# Altium PCB Simulation.PcbDoc (part 1 of 3) (continued)
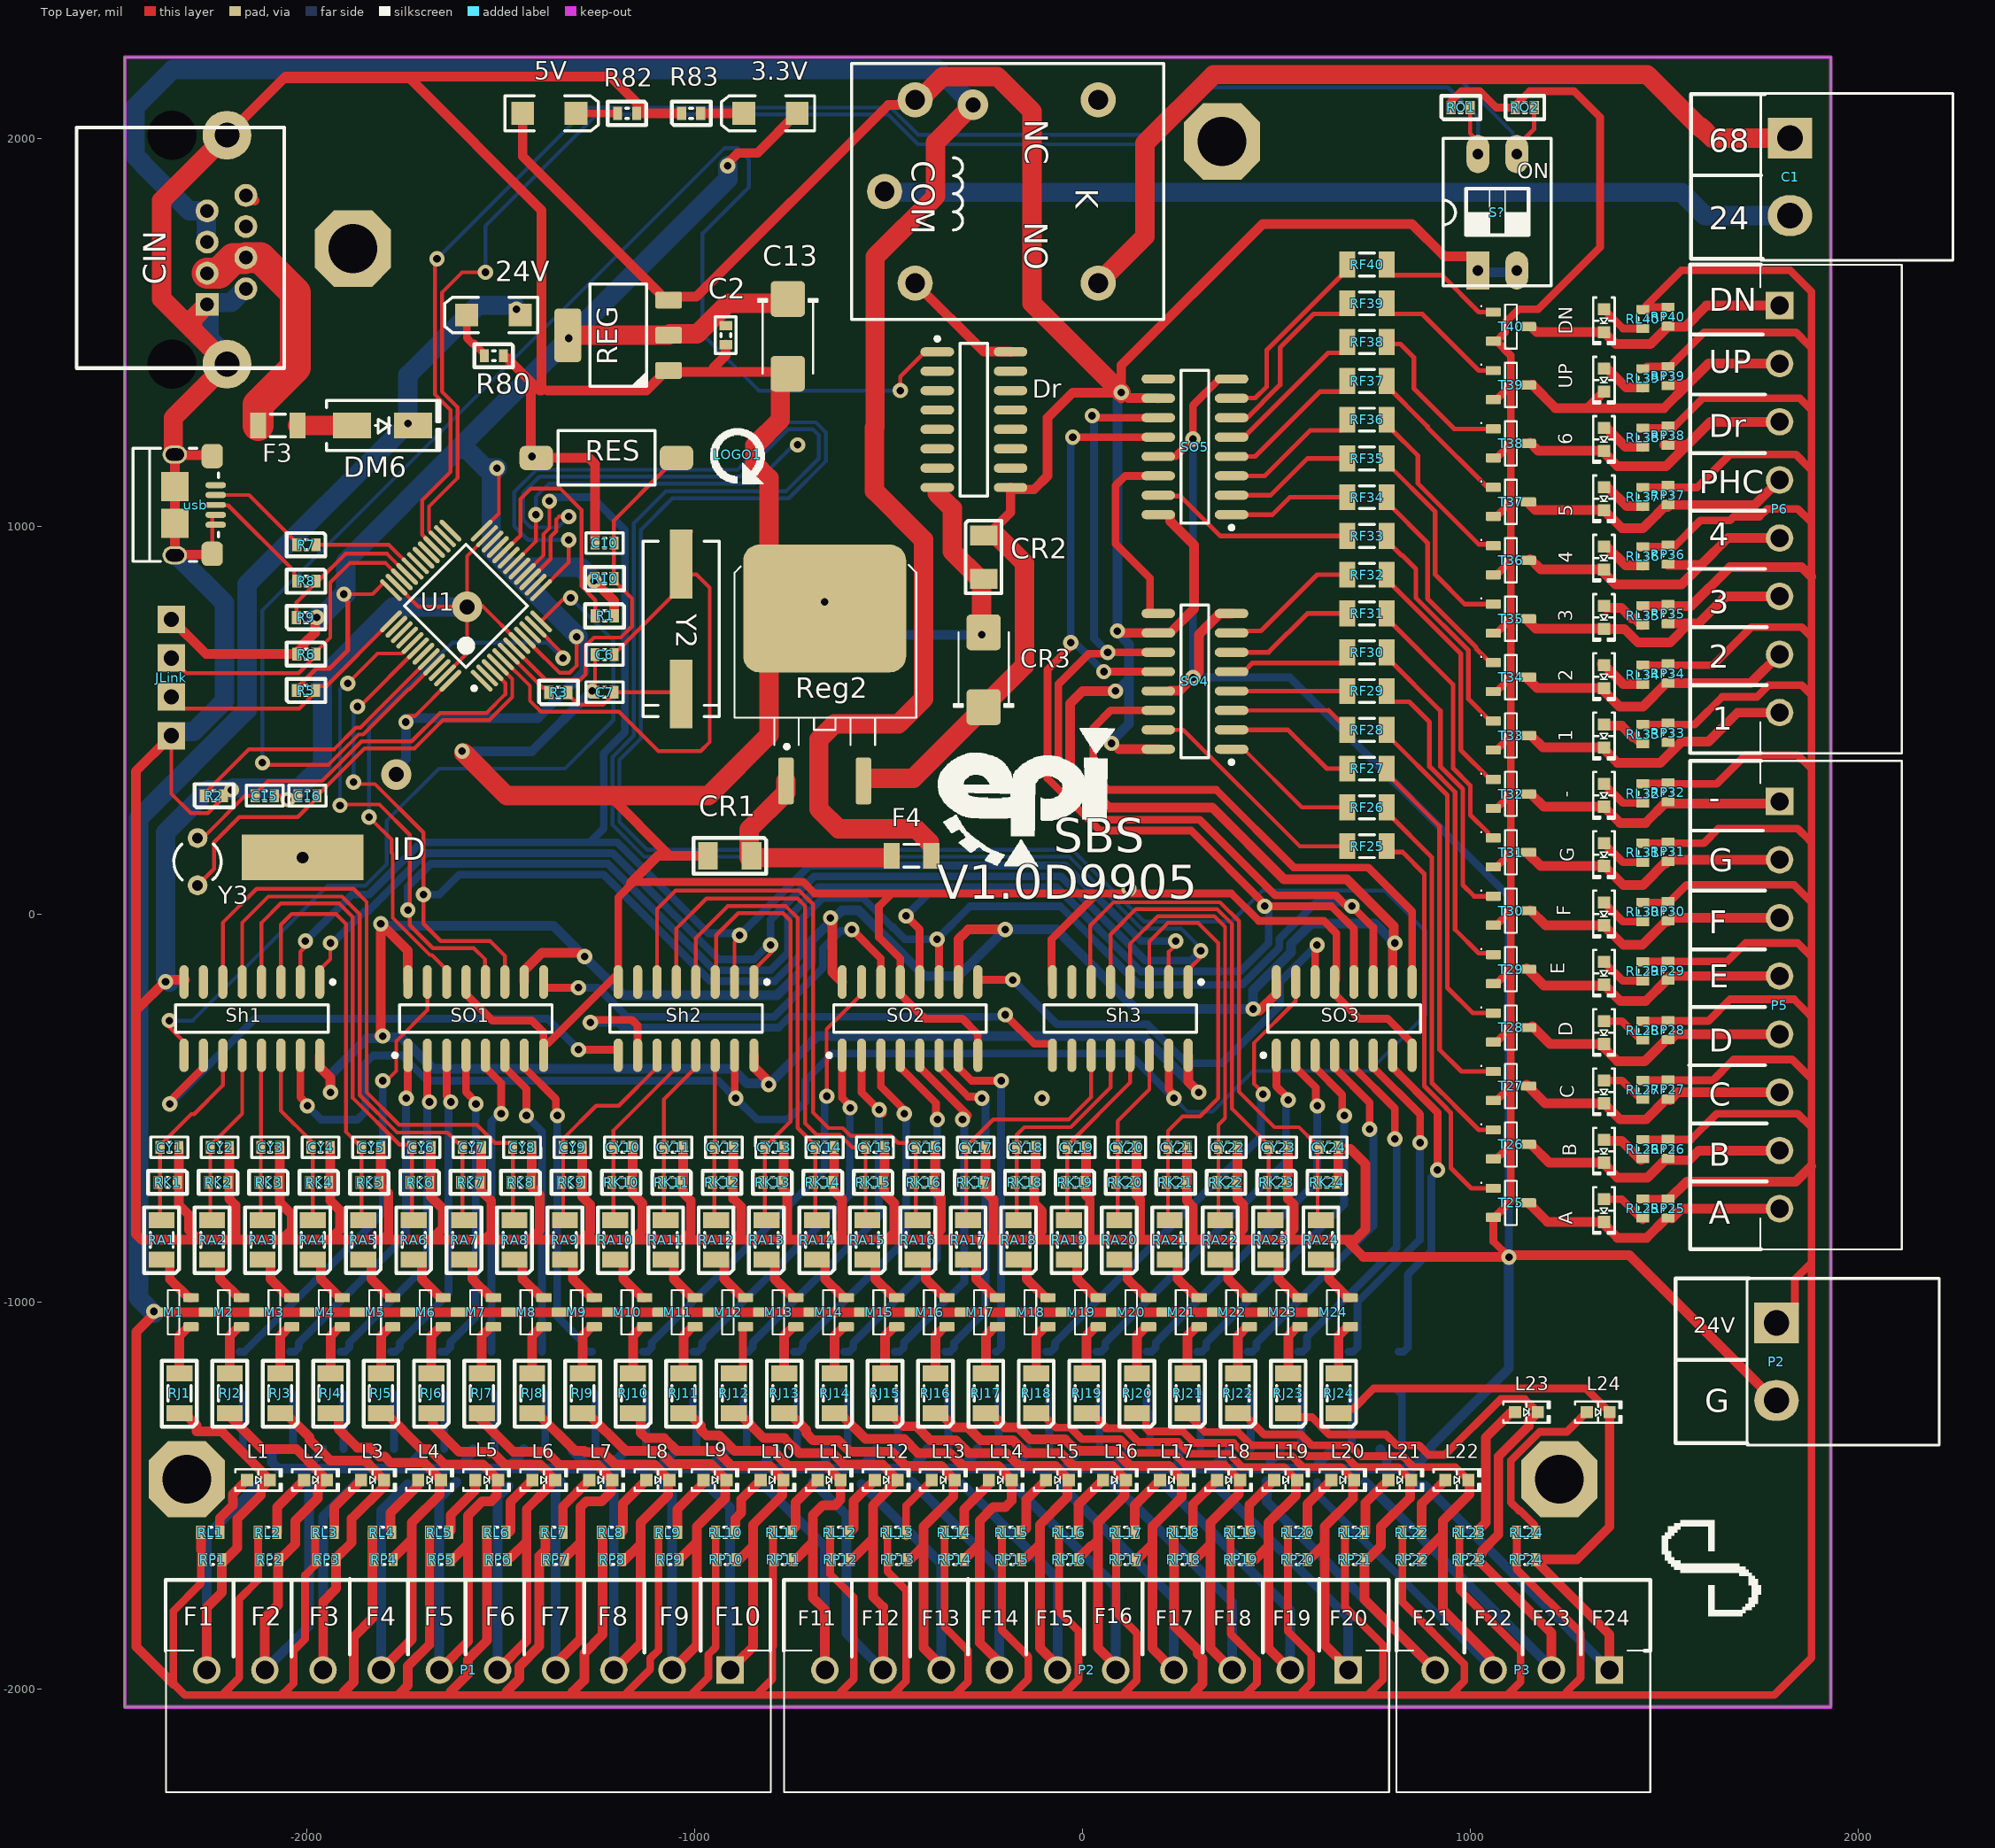
[diagram p0: Top Layer view]
## Classes and differential pairs
component class "Power 3.3V": 3.3V C2 C13 R83 REG
component class "Shift Out": SO1 SO2 SO3 SO4 SO5
component class Actuator: 1 2 3 4 5 6 - A B C D DN E F G L1 L2 L3 L4 L5 L6 L7 L8 L9 L10 L11 L12 L13 L14 L15 L16 L17 L18 L19 L20 L21 L22 L23 L24 RF1 RF2 RF3 RF4 RF5 RF6 RF7 RF8 RF9 RF10 RF11 RF12 RF13 RF14 RF15 RF16 RF17 RF18 RF19 RF20 RF21 RF22 RF23 RF24 RF25 RF26 RF27 RF28 RF29 RF30 RF31 RF32 RF33 RF34 RF35 RF36 RF37 RF38 RF39 RF40 RL1 RL2 RL3 RL4 RL5 RL6 RL7 RL8 RL9 RL10 RL11 RL12 RL13 RL14 RL15 RL16 RL17 RL18 RL19 RL20 RL21 RL22 RL23 RL24 RL25 RL26 RL27 RL28 RL29 RL30 RL31 RL32 RL33 RL34 RL35 RL36 RL37 RL38 RL39 RL40 RP1 RP2 RP3 RP4 RP5 RP6 RP7 RP8 RP9 RP10 RP11 RP12 RP13 RP14 RP15 RP16 RP17 RP18 RP19 RP20 RP21 RP22 RP23 RP24 RP25 RP26 RP27 RP28 RP29 RP30 RP31 RP32 RP33 RP34 RP35 RP36 RP37 RP38 RP39 RP40 T1 T2 T3 T4 T5 T6 T7 T8 T9 T10 T11 T12 T13 T14 T15 T16 T17 T18 T19 T20 T21 T22 T23 T24 T25 T26 T27 T28 T29 T30 T31 T32 T33 T34 T35 T36 T37 T38 T39 T40 UP
component class "Mosfet Input": CY1 CY2 CY3 CY4 CY5 CY6 CY7 CY8 CY9 CY10 CY11 CY12 CY13 CY14 CY15 CY16 CY17 CY18 CY19 CY20 CY21 CY22 CY23 CY24 M1 M2 M3 M4 M5 M6 M7 M8 M9 M10 M11 M12 M13 M14 M15 M16 M17 M18 M19 M20 M21 M22 M23 M24 RA1 RA2 RA3 RA4 RA5 RA6 RA7 RA8 RA9 RA10 RA11 RA12 RA13 RA14 RA15 RA16 RA17 RA18 RA19 RA20 RA21 RA22 RA23 RA24 RJ1 RJ2 RJ3 RJ4 RJ5 RJ6 RJ7 RJ8 RJ9 RJ10 RJ11 RJ12 RJ13 RJ14 RJ15 RJ16 RJ17 RJ18 RJ19 RJ20 RJ21 RJ22 RJ23 RJ24 RK1 RK2 RK3 RK4 RK5 RK6 RK7 RK8 RK9 RK10 RK11 RK12 RK13 RK14 RK15 RK16 RK17 RK18 RK19 RK20 RK21 RK22 RK23 RK24
component class MCU: C1 C6 C7 C10 C15 C16 Dr JLink K LOGO1 R1 R2 R3 R5 R6 R7 R8 R9 R10 RES U1 usb Y2 Y3
component class "Input Connector": 24V CIN DM6 F3 F4 P1 P2 P3 P5 P6 R80
component class "Data Input Memory": Sh1 Sh2 Sh3
component class Config: RO1 RO2 S?
component class "Power 5V": 5V CR1 CR2 CR3 R82 Reg2

## Components (designator, comment, footprint, x,y, rotation, side; value= is the part's Value field where it differs from the comment)
1 "RED" "LED 0603/1608 RED" 1345,459 r270 top
2 "RED" "LED 0603/1608 RED" 1345,612 r270 top
3 "RED" "LED 0603/1608 RED" 1345,765 r270 top
3.3V "GREEN" "LED SMD 1206" -805,2065 r180 top
4 "RED" "LED 0603/1608 RED" 1345,918 r270 top
5 "RED" "LED 0603/1608 RED" 1345,1071 r270 top
5V "RED" "LED SMD 1206" -1375,2065 r0 top
6 "RED" "LED 0603/1608 RED" 1345,1224 r270 top
24V "RED" "LED SMD 1206" -1519.19,1545 r180 top
- "RED" "LED 0603/1608 RED" 1345,306 r270 top
A "RED" "LED 0603/1608 RED" 1345,-765 r270 top
B "RED" "LED 0603/1608 RED" 1345,-612 r270 top
C "RED" "LED 0603/1608 RED" 1345,-459 r270 top
C1 "Header 2" "phonix 2pin right 5.08" 1825,1901.27 r0 top
C2 "100nF" SMD_CAP_0603 -920,1493.12 r90 top
C6 "20pF" SMD_CAP_0603 -1232.81,668.83 r180 top
C7 "20pF" SMD_CAP_0603 -1232.81,572.3 r180 top
C10 "1uF" SMD_CAP_0603 -1232.81,957 r180 top
C13 "100uF" CAPMP6032X280N -760,1490 r270 top
C15 "1uF" CAP-0603 -2109.18,304.77 r0 top
C16 "10pF" SMD_CAP_0603 -1998.84,304.77 r0 top
CIN "CN_MODJACK_8P" "CN_RJ45_TYCO_ DY122-8P8C-G" -2348.3,2008.7 r270 top
CR1 "330nF" 1206 -910,150 r180 top
CR2 "100nF" 1206 -255,920 r270 top
CR3 "100uF" CAPMP6032X280N -255,630 r90 top
CY1 "10uF" SMD_CAP_0603 -2355,-602.05 r0 top
CY2 "10uF" SMD_CAP_0603 -2225,-602.05 r0 top
CY3 "10uF" SMD_CAP_0603 -2095,-602.05 r0 top
CY4 "10uF" SMD_CAP_0603 -1965,-602.05 r0 top
CY5 "10uF" SMD_CAP_0603 -1835,-602.05 r0 top
CY6 "10uF" SMD_CAP_0603 -1705,-602.05 r0 top
CY7 "10uF" SMD_CAP_0603 -1575,-602.05 r0 top
CY8 "10uF" SMD_CAP_0603 -1445,-602.05 r0 top
CY9 "10uF" SMD_CAP_0603 -1315,-602.05 r0 top
CY10 "10uF" SMD_CAP_0603 -1185,-602.05 r0 top
CY11 "10uF" SMD_CAP_0603 -1055,-602.05 r0 top
CY12 "10uF" SMD_CAP_0603 -925,-602.05 r0 top
CY13 "10uF" SMD_CAP_0603 -795,-602.05 r0 top
CY14 "10uF" SMD_CAP_0603 -665,-602.05 r0 top
CY15 "10uF" SMD_CAP_0603 -535,-602.05 r0 top
CY16 "10uF" SMD_CAP_0603 -405,-602.05 r0 top
CY17 "10uF" SMD_CAP_0603 -275,-602.05 r0 top
CY18 "10uF" SMD_CAP_0603 -145,-602.05 r0 top
CY19 "10uF" SMD_CAP_0603 -15,-602.05 r0 top
CY20 "10uF" SMD_CAP_0603 115,-602.05 r0 top
CY21 "10uF" SMD_CAP_0603 245,-602.05 r0 top
CY22 "10uF" SMD_CAP_0603 375,-602.05 r0 top
CY23 "10uF" SMD_CAP_0603 505,-602.05 r0 top
CY24 "10uF" SMD_CAP_0603 635,-602.05 r0 top
D "RED" "LED 0603/1608 RED" 1345,-306 r270 top
DM6 "1N5822" "DO214AC SMA" -1805,1260 r0 top
DN "RED" "LED 0603/1608 RED" 1345,1530 r270 top
Dr "ULN2003" SO-16 -280,1275 r0 top
E "RED" "LED 0603/1608 RED" 1345,-153 r270 top
F "RED" "LED 0603/1608 RED" 1345,0 r270 top
F3 "Fuse 1A 1206" "Fuse SMD 1206" -2071.65,1255 r0 top
F4 "Fuse 1A 1206" "Fuse SMD 1206" -445,155.2 r180 top
G "RED" "LED 0603/1608 RED" 1345,153 r270 top
JLink "Header Male Right 1x4" "Header 1x4 male rightangle" -2350,560 r90 top
K "Relay" "Relay 20x16x20 HJR" -510.37,1863.48 r270 top
L1 "RED" "LED 0603/1608 RED" -2125.47,-1460 r0 top
L2 "RED" "LED 0603/1608 RED" -1978.28,-1460 r0 top
L3 "RED" "LED 0603/1608 RED" -1831.08,-1460 r0 top
L4 "RED" "LED 0603/1608 RED" -1683.89,-1460 r0 top
L5 "RED" "LED 0603/1608 RED" -1536.69,-1460 r0 top
L6 "RED" "LED 0603/1608 RED" -1389.5,-1460 r0 top
L7 "RED" "LED 0603/1608 RED" -1242.31,-1460 r0 top
L8 "RED" "LED 0603/1608 RED" -1095.11,-1460 r0 top
L9 "RED" "LED 0603/1608 RED" -947.92,-1460 r0 top
L10 "RED" "LED 0603/1608 RED" -800.72,-1460 r0 top
L11 "RED" "LED 0603/1608 RED" -653.53,-1460 r0 top
L12 "RED" "LED 0603/1608 RED" -506.33,-1460 r0 top
L13 "RED" "LED 0603/1608 RED" -359.14,-1460 r0 top
L14 "RED" "LED 0603/1608 RED" -211.95,-1460 r0 top
L15 "RED" "LED 0603/1608 RED" -64.75,-1460 r0 top
L16 "RED" "LED 0603/1608 RED" 82.44,-1460 r0 top
L17 "RED" "LED 0603/1608 RED" 229.64,-1460 r0 top
L18 "RED" "LED 0603/1608 RED" 376.83,-1460 r0 top
L19 "RED" "LED 0603/1608 RED" 524.03,-1460 r0 top
L20 "RED" "LED 0603/1608 RED" 671.22,-1460 r0 top
L21 "RED" "LED 0603/1608 RED" 818.42,-1460 r0 top
L22 "RED" "LED 0603/1608 RED" 965.61,-1460 r0 top
L23 "RED" "LED 0603/1608 RED" 1145,-1285 r0 top
L24 "RED" "LED 0603/1608 RED" 1330,-1285 r0 top
LOGO1 "Warning!" "LOGO RESET" -890,1185 r90 top
M1 "BSS138" SOT23-3 -2344.47,-1027.04 r180 top
M2 "BSS138" SOT23-3 -2214.47,-1027.04 r180 top
M3 "BSS138" SOT23-3 -2084.47,-1027.04 r180 top
M4 "BSS138" SOT23-3 -1954.47,-1027.04 r180 top
M5 "BSS138" SOT23-3 -1824.47,-1027.04 r180 top
M6 "BSS138" SOT23-3 -1694.47,-1027.04 r180 top
M7 "BSS138" SOT23-3 -1564.47,-1027.04 r180 top
M8 "BSS138" SOT23-3 -1434.47,-1027.04 r180 top
M9 "BSS138" SOT23-3 -1304.47,-1027.04 r180 top
M10 "BSS138" SOT23-3 -1174.47,-1027.04 r180 top
M11 "BSS138" SOT23-3 -1044.47,-1027.04 r180 top
M12 "BSS138" SOT23-3 -914.47,-1027.04 r180 top
M13 "BSS138" SOT23-3 -784.47,-1027.04 r180 top
M14 "BSS138" SOT23-3 -654.47,-1027.04 r180 top
M15 "BSS138" SOT23-3 -524.47,-1027.04 r180 top
M16 "BSS138" SOT23-3 -394.47,-1027.04 r180 top
M17 "BSS138" SOT23-3 -264.47,-1027.04 r180 top
M18 "BSS138" SOT23-3 -134.47,-1027.04 r180 top
M19 "BSS138" SOT23-3 -4.47,-1027.04 r180 top
M20 "BSS138" SOT23-3 125.53,-1027.04 r180 top
M21 "BSS138" SOT23-3 255.53,-1027.04 r180 top
M22 "BSS138" SOT23-3 385.53,-1027.04 r180 top
M23 "BSS138" SOT23-3 515.53,-1027.04 r180 top
M24 "BSS138" SOT23-3 645.53,-1027.04 r180 top
P1 "XH10MR" "phonix 10pin right 3.81" -908.72,-1950 r270 top
P2 "Header 2" "phonix 2pin right 5.08" 1790,-1155 r0 top
P2 "XH10MR" "phonix 10pin right 3.81" 685.71,-1950 r270 top
P3 "XH4MR" "phonix 4pin right 3.81" 1359.44,-1950 r270 top
P5 "XH8MR" "phonix 8pin right 3.81" 1798,290 r0 top
P6 "XH8MR" "phonix 8pin right 3.81" 1798,1569.49 r0 top
R1 "10K" "RES 0603 (1608X06L)" -1207.61,768.99 r180 top
R2 "10K" "RES 0603 (1608X06L)" -2265,305 r0 top
R3 "390" "RES 0603 (1608X06L)" -1376.44,571.48 r0 top
R5 "10K" "RES 0603 (1608X06L)" -2027.61,576.4 r0 top
R6 "10K" "RES 0603 (1608X06L)" -1977.61,670.41 r180 top
R7 "20R" "RES 0603 (1608X06L)" -1977.61,952.44 r180 top
R8 "20R" "RES 0603 (1608X06L)" -1977.61,858.43 r180 top
R9 "1.5K" "RES 0603 (1608X06L)" -2027.61,764.42 r0 top
R10 "10K" "RES 0603 (1608X06L)" -1257.61,865.04 r0 top
R80 "5K" "RES 0603 (1608X06L)" -1493.65,1439.76 r180 top
R82 "1K" "RES 0603 (1608X06L)" -1150,2065 r180 top
R83 "500" "RES 0603 (1608X06L)" -1033.99,2065 r0 top
RA1 "10K" "RES 1206 (3216X08L)" -2375,-891.57 r90 top
RA2 "10K" "RES 1206 (3216X08L)" -2245,-891.57 r90 top
RA3 "10K" "RES 1206 (3216X08L)" -2115,-891.57 r90 top
RA4 "10K" "RES 1206 (3216X08L)" -1985,-891.57 r90 top
RA5 "10K" "RES 1206 (3216X08L)" -1855,-891.57 r90 top
RA6 "10K" "RES 1206 (3216X08L)" -1725,-891.57 r90 top
RA7 "10K" "RES 1206 (3216X08L)" -1595,-891.57 r90 top
RA8 "10K" "RES 1206 (3216X08L)" -1465,-891.57 r90 top
RA9 "10K" "RES 1206 (3216X08L)" -1335,-891.57 r90 top
RA10 "10K" "RES 1206 (3216X08L)" -1205,-891.57 r90 top
RA11 "10K" "RES 1206 (3216X08L)" -1075,-891.57 r90 top
RA12 "10K" "RES 1206 (3216X08L)" -945,-891.57 r90 top
RA13 "10K" "RES 1206 (3216X08L)" -815,-891.57 r90 top
RA14 "10K" "RES 1206 (3216X08L)" -685,-891.57 r90 top
RA15 "10K" "RES 1206 (3216X08L)" -555,-891.57 r90 top
RA16 "10K" "RES 1206 (3216X08L)" -425,-891.57 r90 top
RA17 "10K" "RES 1206 (3216X08L)" -295,-891.57 r90 top
RA18 "10K" "RES 1206 (3216X08L)" -165,-891.57 r90 top
RA19 "10K" "RES 1206 (3216X08L)" -35,-891.57 r90 top
RA20 "10K" "RES 1206 (3216X08L)" 95,-891.57 r90 top
RA21 "10K" "RES 1206 (3216X08L)" 225,-891.57 r90 top
RA22 "10K" "RES 1206 (3216X08L)" 355,-891.57 r90 top
RA23 "10K" "RES 1206 (3216X08L)" 485,-891.57 r90 top
RA24 "10K" "RES 1206 (3216X08L)" 615,-891.57 r90 top
REG "AMS1117-3.3" SOT223 -1197.53,1492.62 r180 top
Reg2 "L7805" D2PAK-3 -665,565.54 r270 top value=variable
RES "Button" "TE FSMSMTR" -1227.97,1176.48 r90 top
RF1 "1K" "RES 1206 (3216X08L)" -2174.39,-1231.1 r90 bottom
RF2 "1K" "RES 1206 (3216X08L)" -2044.39,-1231.1 r90 bottom
RF3 "1K" "RES 1206 (3216X08L)" -1914.39,-1231.1 r90 bottom
RF4 "1K" "RES 1206 (3216X08L)" -1784.39,-1231.1 r90 bottom
RF5 "1K" "RES 1206 (3216X08L)" -1654.39,-1231.1 r90 bottom
RF6 "1K" "RES 1206 (3216X08L)" -1524.39,-1231.1 r90 bottom
RF7 "1K" "RES 1206 (3216X08L)" -1394.39,-1231.1 r90 bottom
RF8 "1K" "RES 1206 (3216X08L)" -1264.39,-1231.1 r90 bottom
RF9 "1K" "RES 1206 (3216X08L)" -1134.39,-1231.1 r90 bottom
RF10 "1K" "RES 1206 (3216X08L)" -1004.39,-1231.1 r90 bottom
RF11 "1K" "RES 1206 (3216X08L)" -874.39,-1231.1 r90 bottom
RF12 "1K" "RES 1206 (3216X08L)" -744.39,-1231.1 r90 bottom
RF13 "1K" "RES 1206 (3216X08L)" -614.39,-1231.1 r90 bottom
RF14 "1K" "RES 1206 (3216X08L)" -484.39,-1231.1 r90 bottom
RF15 "1K" "RES 1206 (3216X08L)" -354.39,-1231.1 r90 bottom
RF16 "1K" "RES 1206 (3216X08L)" -224.39,-1231.1 r90 bottom
RF17 "1K" "RES 1206 (3216X08L)" -94.39,-1231.1 r90 bottom
RF18 "1K" "RES 1206 (3216X08L)" 35.61,-1231.1 r90 bottom
RF19 "1K" "RES 1206 (3216X08L)" 165.61,-1231.1 r90 bottom
RF20 "1K" "RES 1206 (3216X08L)" 295.61,-1231.1 r90 bottom
RF21 "1K" "RES 1206 (3216X08L)" 425.61,-1231.1 r90 bottom
RF22 "1K" "RES 1206 (3216X08L)" 555.61,-1231.1 r90 bottom
RF23 "1K" "RES 1206 (3216X08L)" 685.61,-1231.1 r90 bottom
RF24 "1K" "RES 1206 (3216X08L)" 815.61,-1231.1 r90 bottom
RF25 "1K" "RES 1206 (3216X08L)" 785,175 r180 top
RF26 "1K" "RES 1206 (3216X08L)" 785,275 r180 top
RF27 "1K" "RES 1206 (3216X08L)" 785,375 r180 top
RF28 "1K" "RES 1206 (3216X08L)" 785,475 r180 top
RF29 "1K" "RES 1206 (3216X08L)" 785,575 r180 top
RF30 "1K" "RES 1206 (3216X08L)" 785,675 r180 top
RF31 "1K" "RES 1206 (3216X08L)" 785,775 r180 top
RF32 "1K" "RES 1206 (3216X08L)" 785,875 r180 top
RF33 "1K" "RES 1206 (3216X08L)" 785,975 r180 top
RF34 "1K" "RES 1206 (3216X08L)" 785,1075 r180 top
RF35 "1K" "RES 1206 (3216X08L)" 785,1175 r180 top
RF36 "1K" "RES 1206 (3216X08L)" 785,1275 r180 top
RF37 "1K" "RES 1206 (3216X08L)" 785,1375 r180 top
RF38 "1K" "RES 1206 (3216X08L)" 785,1475 r180 top
RF39 "1K" "RES 1206 (3216X08L)" 785,1575 r180 top
RF40 "1K" "RES 1206 (3216X08L)" 785,1675 r180 top
RJ1 "100K" "RES 1206 (3216X08L)" -2329.29,-1287.36 r90 top
RJ2 "100K" "RES 1206 (3216X08L)" -2199.29,-1287.36 r90 top
RJ3 "100K" "RES 1206 (3216X08L)" -2069.29,-1287.36 r90 top
RJ4 "100K" "RES 1206 (3216X08L)" -1939.29,-1287.36 r90 top
RJ5 "100K" "RES 1206 (3216X08L)" -1809.29,-1287.36 r90 top
RJ6 "100K" "RES 1206 (3216X08L)" -1679.29,-1287.36 r90 top
RJ7 "100K" "RES 1206 (3216X08L)" -1549.29,-1287.36 r90 top
RJ8 "100K" "RES 1206 (3216X08L)" -1419.29,-1287.36 r90 top
RJ9 "100K" "RES 1206 (3216X08L)" -1289.29,-1287.36 r90 top
RJ10 "100K" "RES 1206 (3216X08L)" -1159.29,-1287.36 r90 top
RJ11 "100K" "RES 1206 (3216X08L)" -1029.29,-1287.36 r90 top
RJ12 "100K" "RES 1206 (3216X08L)" -899.29,-1287.36 r90 top
RJ13 "100K" "RES 1206 (3216X08L)" -769.29,-1287.36 r90 top
RJ14 "100K" "RES 1206 (3216X08L)" -639.29,-1287.36 r90 top
RJ15 "100K" "RES 1206 (3216X08L)" -509.29,-1287.36 r90 top
RJ16 "100K" "RES 1206 (3216X08L)" -379.29,-1287.36 r90 top
RJ17 "100K" "RES 1206 (3216X08L)" -249.29,-1287.36 r90 top
RJ18 "100K" "RES 1206 (3216X08L)" -119.29,-1287.36 r90 top
RJ19 "100K" "RES 1206 (3216X08L)" 10.71,-1287.36 r90 top
RJ20 "100K" "RES 1206 (3216X08L)" 140.71,-1287.36 r90 top
RJ21 "100K" "RES 1206 (3216X08L)" 270.71,-1287.36 r90 top
RJ22 "100K" "RES 1206 (3216X08L)" 400.71,-1287.36 r90 top
RJ23 "100K" "RES 1206 (3216X08L)" 530.71,-1287.36 r90 top
RJ24 "100K" "RES 1206 (3216X08L)" 660.71,-1287.36 r90 top
RK1 "2.2K" "RES 0603 (1608X06L)" -2334.72,-692.05 r180 top
RK2 "2.2K" "RES 0603 (1608X06L)" -2204.72,-692.05 r180 top
RK3 "2.2K" "RES 0603 (1608X06L)" -2074.72,-692.05 r180 top
RK4 "2.2K" "RES 0603 (1608X06L)" -1944.72,-692.05 r180 top
RK5 "2.2K" "RES 0603 (1608X06L)" -1814.72,-692.05 r180 top
RK6 "2.2K" "RES 0603 (1608X06L)" -1684.72,-692.05 r180 top
RK7 "2.2K" "RES 0603 (1608X06L)" -1554.72,-692.05 r180 top
RK8 "2.2K" "RES 0603 (1608X06L)" -1424.72,-692.05 r180 top
RK9 "2.2K" "RES 0603 (1608X06L)" -1294.72,-692.05 r180 top
RK10 "2.2K" "RES 0603 (1608X06L)" -1164.72,-692.05 r180 top
RK11 "2.2K" "RES 0603 (1608X06L)" -1034.72,-692.05 r180 top
RK12 "2.2K" "RES 0603 (1608X06L)" -904.72,-692.05 r180 top
RK13 "2.2K" "RES 0603 (1608X06L)" -774.72,-692.05 r180 top
RK14 "2.2K" "RES 0603 (1608X06L)" -644.72,-692.05 r180 top
RK15 "2.2K" "RES 0603 (1608X06L)" -514.72,-692.05 r180 top
RK16 "2.2K" "RES 0603 (1608X06L)" -384.72,-692.05 r180 top
RK17 "2.2K" "RES 0603 (1608X06L)" -254.72,-692.05 r180 top
RK18 "2.2K" "RES 0603 (1608X06L)" -124.72,-692.05 r180 top
RK19 "2.2K" "RES 0603 (1608X06L)" 5.28,-692.05 r180 top
RK20 "2.2K" "RES 0603 (1608X06L)" 135.28,-692.05 r180 top
RK21 "2.2K" "RES 0603 (1608X06L)" 265.28,-692.05 r180 top
RK22 "2.2K" "RES 0603 (1608X06L)" 395.28,-692.05 r180 top
RK23 "2.2K" "RES 0603 (1608X06L)" 525.28,-692.05 r180 top
RK24 "2.2K" "RES 0603 (1608X06L)" 655.28,-692.05 r180 top
RL1 "5K" "RES 0603 (1608X06L)" -2225,-1595 r180 top
RL2 "5K" "RES 0603 (1608X06L)" -2077.44,-1595 r180 top
RL3 "5K" "RES 0603 (1608X06L)" -1929.87,-1595 r180 top
RL4 "5K" "RES 0603 (1608X06L)" -1782.31,-1595 r180 top
RL5 "5K" "RES 0603 (1608X06L)" -1634.74,-1595 r180 top
RL6 "5K" "RES 0603 (1608X06L)" -1487.18,-1595 r180 top
RL7 "5K" "RES 0603 (1608X06L)" -1339.61,-1595 r180 top
RL8 "5K" "RES 0603 (1608X06L)" -1192.05,-1595 r180 top
RL9 "5K" "RES 0603 (1608X06L)" -1044.48,-1595 r180 top
RL10 "5K" "RES 0603 (1608X06L)" -896.92,-1595 r180 top
RL11 "5K" "RES 0603 (1608X06L)" -749.35,-1595 r180 top
RL12 "5K" "RES 0603 (1608X06L)" -601.79,-1595 r180 top
RL13 "5K" "RES 0603 (1608X06L)" -454.22,-1595 r180 top
RL14 "5K" "RES 0603 (1608X06L)" -306.66,-1595 r180 top
RL15 "5K" "RES 0603 (1608X06L)" -159.09,-1595 r180 top
RL16 "5K" "RES 0603 (1608X06L)" -11.53,-1595 r180 top
RL17 "5K" "RES 0603 (1608X06L)" 136.04,-1595 r180 top
RL18 "5K" "RES 0603 (1608X06L)" 283.6,-1595 r180 top
RL19 "5K" "RES 0603 (1608X06L)" 431.17,-1595 r180 top
RL20 "5K" "RES 0603 (1608X06L)" 578.73,-1595 r180 top
RL21 "5K" "RES 0603 (1608X06L)" 726.3,-1595 r180 top
RL22 "5K" "RES 0603 (1608X06L)" 873.86,-1595 r180 top
RL23 "5K" "RES 0603 (1608X06L)" 1021.43,-1595 r180 top
RL24 "5K" "RES 0603 (1608X06L)" 1168.99,-1595 r180 top
RL25 "5K" "RES 0603 (1608X06L)" 1445,-783.99 r90 top
RL26 "5K" "RES 0603 (1608X06L)" 1445,-631.06 r90 top
RL27 "5K" "RES 0603 (1608X06L)" 1445,-478.13 r90 top
RL28 "5K" "RES 0603 (1608X06L)" 1445,-325.19 r90 top
RL29 "5K" "RES 0603 (1608X06L)" 1445,-172.26 r90 top
RL30 "5K" "RES 0603 (1608X06L)" 1445,-19.33 r90 top
RL31 "5K" "RES 0603 (1608X06L)" 1445,133.6 r90 top
RL32 "5K" "RES 0603 (1608X06L)" 1445,286.54 r90 top
RL33 "5K" "RES 0603 (1608X06L)" 1445,439.47 r90 top
RL34 "5K" "RES 0603 (1608X06L)" 1445,592.4 r90 top
RL35 "5K" "RES 0603 (1608X06L)" 1445,745.34 r90 top
RL36 "5K" "RES 0603 (1608X06L)" 1445,898.27 r90 top